# Altium PCB LimeSDR-X3_1v1.PcbDoc (part 25 of 25)
Units mm, origin at the board's own origin, x right, y up, seen from the top; angles counter-clockwise.
Board outline 232.5 x 111.15 mm, 12 copper layers (Top, L2, L3, L4, L5, L6, L7, L8, L9, L10, L11, Bottom), stack 1.596 mm thick; 2068 components, 1388 nets, 8930 pads, 3646 vias.
Unrouted connection lines stored in the file: 1.
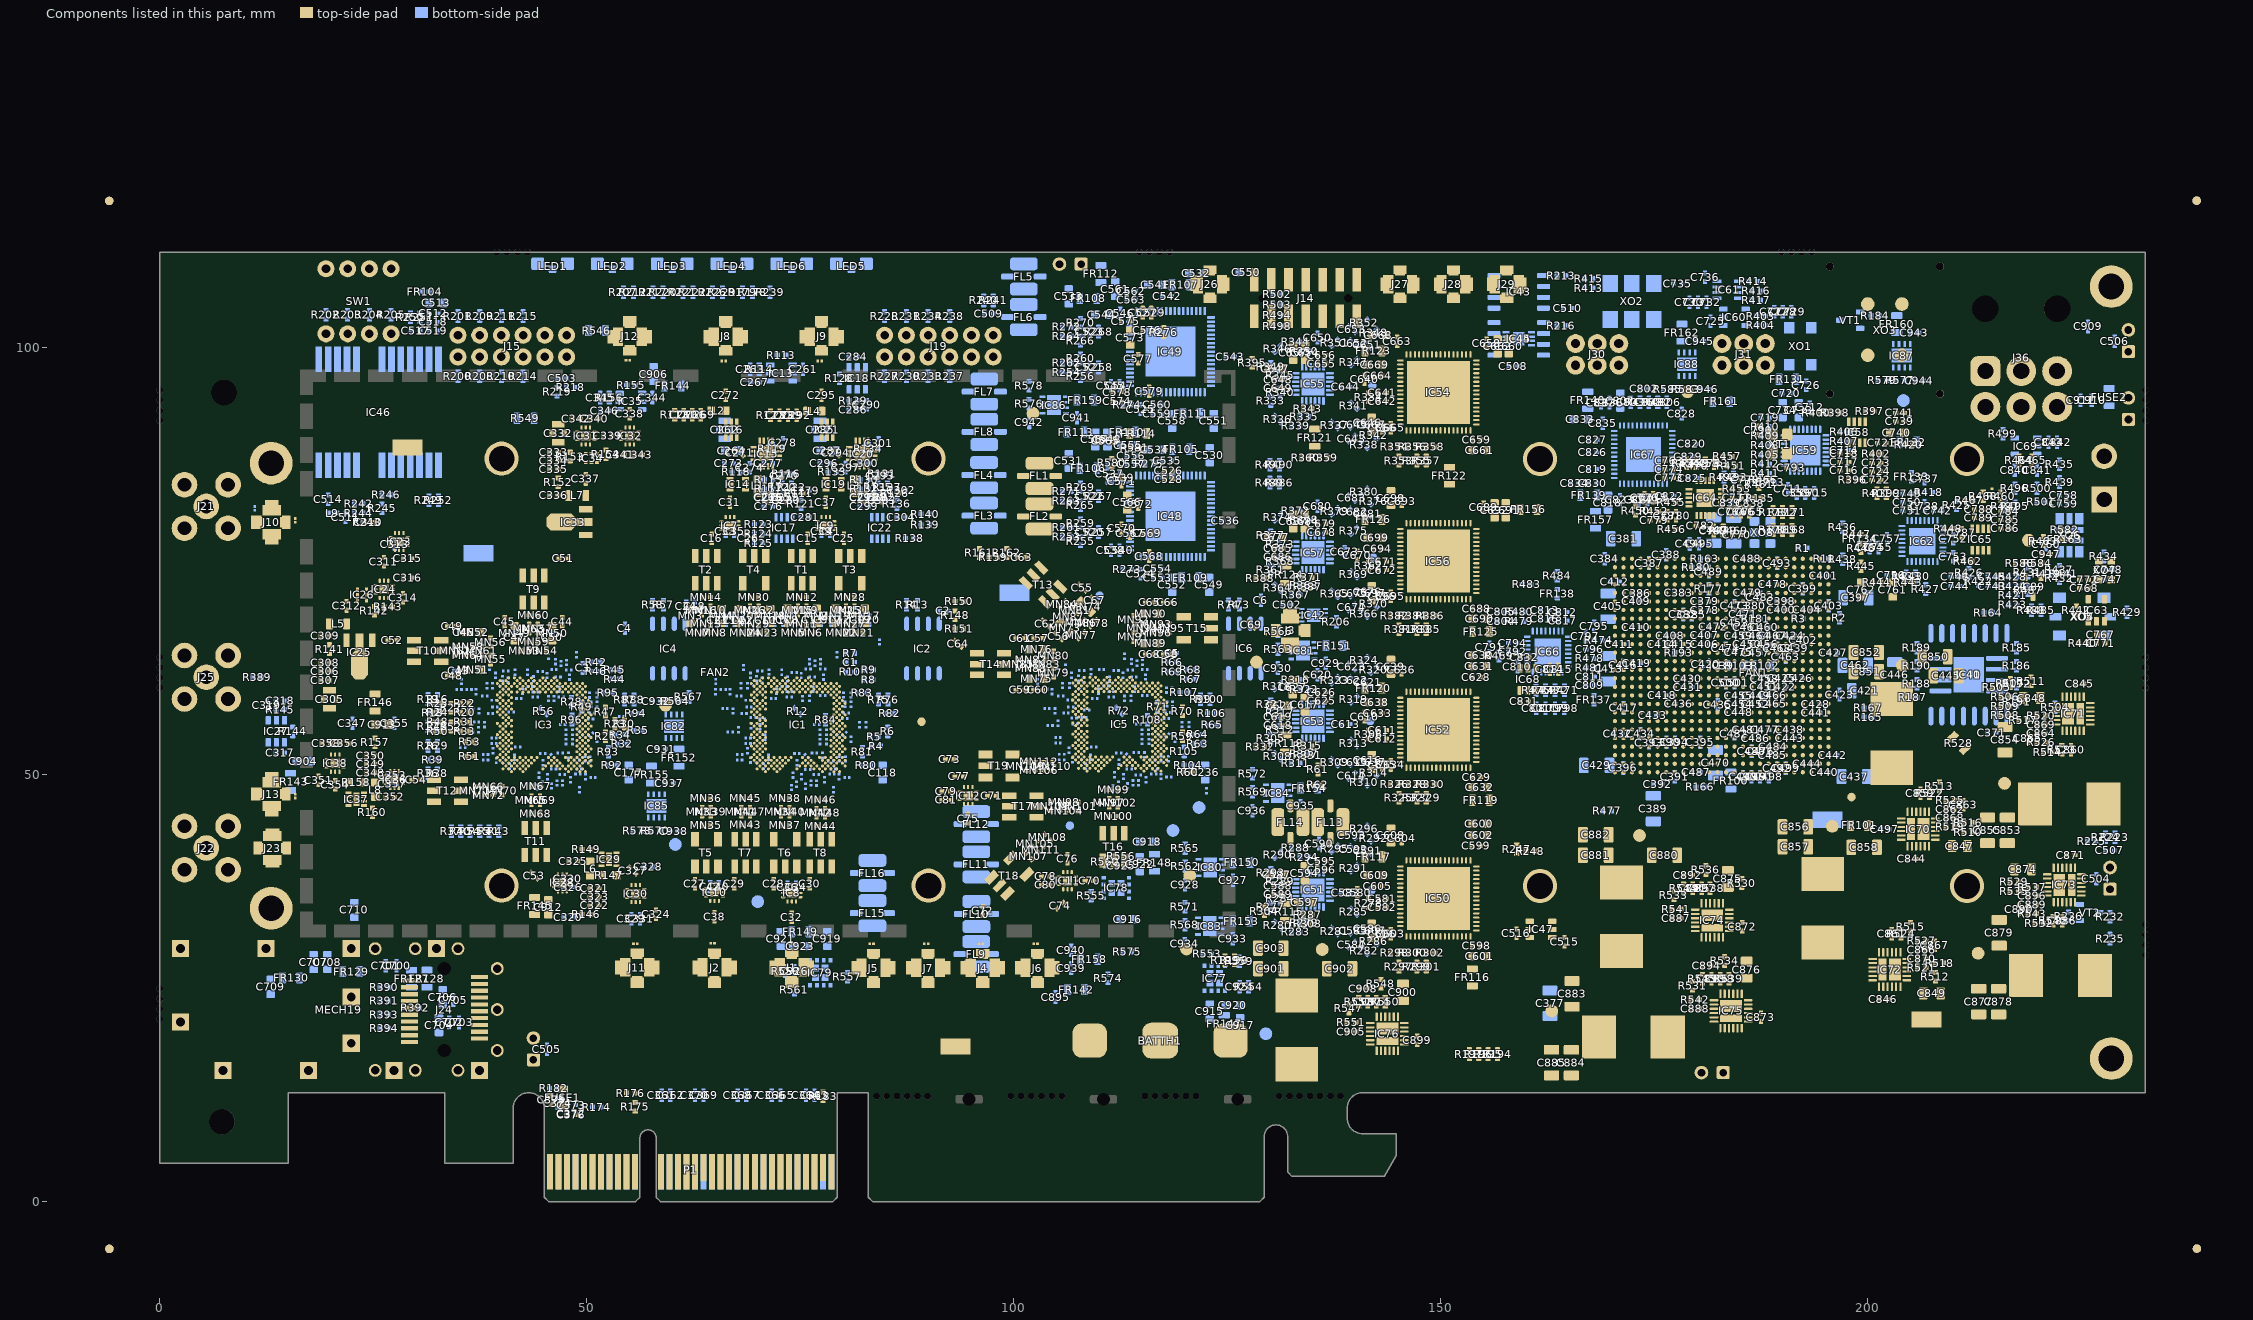
[diagram p35: the components of this part, seen from the top]

## Silkscreen, mask and mechanical layers (free items; w line width, h text height) (continued)
Mechanical1:
  drawing of 2724 lines, arcs and shapes, not listed
  text "LimeSDR X3 v1.1" at 390.05,289.1 h7
  text "CONTROLLED IMPEDANCE" at 250.15,275.6 h3
  text "STACKUP AND LAYER DESCRIPTION" at 379.15,275.6 h3
  text "GENERAL PARAMETERS" at 264.05,269.1 h1.7
  text "Parameter" at 286.05,265.325 h1.5
  text "Layer/Layers" at 331.55,265.1 h1.5
  text "Value" at 361.55,265.1 h1.5
  text "Top" at 326.55,260.3 h1.5
  text "17.5um" at 353.85,260.3 h1.5
  text "Copper foil thickness" at 251.05,260.1 h1.5
  text "173um (6.8 mils)" at 353.15,255.7 h1.5
  text "Dielectric thickness between layers" at 251.05,255.1 h1.5
  text "4.2" at 354.05,250.3 h1.5
  text "Dielectric permittivity between layers (Er)" at 251.05,250.1 h1.5
  text "Top-L2" at 326.55,249.1 h1.5
  text "17.5um" at 353.85,245.3 h1.5
  text "Copper foil thickness" at 251.05,245.1 h1.5
  text "Bottom" at 326.55,244.1 h1.5
  text "TH via" at 512.6,243.85 h1.52
  text "GERBER LAYER NAMES:" at 386.2,242.45 h1.52
  text "Top-Bot" at 512.05,240.775 h1.52
  text "173um (6.8 mils)" at 353.15,240.7 h1.5
  text "Dielectric thickness between layers" at 251.05,240.1 h1.5
  text "GTP" at 387.3,238.9 h1.52
  text "Top solder paste" at 392.4,238.55 h1
  text "GTO" at 387.3,235.825 h1.52
  text "Silkscreen" at 392.3,235.6 h1
  text "4.2" at 354.05,235.3 h1.5
  text "Dielectric permittivity between layers (Er)" at 251.05,235.1 h1.5
  text "ELECTRICAL LAYERS:" at 526.6,234.35 h1.52
  text "Bottom-L11" at 326.55,234.2 h1.5
  text "GTS" at 387.3,233.15 h1.52
  text "Soldermask (halogen free)" at 392.3,231.85 h1
  text "Top: RF/Signal/PWR/GND" at 527.275,230.875 h1.52
  text "GTL" at 387.3,230.65 h1.52
  text "0.5oz+plating" at 392.3,230.15 h1
  text "6.8mil (173um)" at 423.45,227.975 h1
  text "IT180A: 1086X1+2113X1" at 440.8,227.875 h1.2
  text "PP" at 414.6,227.85 h1
  text "CALCULATIONS" at 250.05,227.6 h1.7
  text "G1" at 387.3,226.15 h1.52
  text "1oz (35um)" at 392.3,225.95 h1
  text "L2: GND" at 527.3,225.85 h1.52
  text "IT180A: 3313" at 440.75,223.5 h1.2
  text "4mil (102um)" at 423.45,223.475 h1
  text "CORE" at 414.6,223.35 h1
  text "Target impedance" at 257.05,222.6 h1.5
  text "Single-ended" at 326.55,222.6 h1.5
  text "50R" at 353.05,222.6 h1.5
  text "G2" at 387.3,221.65 h1.52
  text "1oz (35um)" at 392.3,221.45 h1
  text "L3: Signal/PWR/GND" at 527.3,221.35 h1.52
  text "4.6mil (117um)" at 423.45,218.975 h1
  text "IT180A: 2116" at 440.8,218.875 h1.2
  text "PP" at 414.6,218.85 h1
  text "Additional comments" at 257.05,217.6 h1.5
  text "Top layer, no side GND plane" at 326.55,217.6 h1.5
  text "G3" at 387.3,217.15 h1.52
  text "1oz (35um)" at 392.3,216.95 h1
  text "L4: Signal/PWR/GND" at 527.3,216.85 h1.52
  text "IT180A: 3313" at 440.75,214.5 h1.2
  text "4mil (102um)" at 423.45,214.475 h1
  text "CORE" at 414.6,214.35 h1
  text "G4" at 387.3,212.65 h1.52
  text "Top layer copper foil thickness" at 257.05,212.6 h1.5
  text "17.5 um" at 326.55,212.6 h1.5
  text "1oz (35um)" at 392.3,212.45 h1
  text "L5: GND" at 527.4,212.35 h1.52
  text "3.52mil (89um)" at 423.45,209.975 h1
  text "IT180A: 1086" at 440.8,209.875 h1.2
  text "PP" at 414.6,209.85 h1
  text "G5" at 387.3,208.15 h1.52
  text "1oz (35um)" at 392.3,207.95 h1
  text "L6: PWR/Signal/GND" at 527.4,207.85 h1.52
  text "Track width" at 257.05,207.6 h1.5
  text "0.325 mm (12.795 mils)" at 326.55,207.6 h1.5
  text "IT180A: 3313" at 440.75,205.5 h1.2
  text "4mil (102um)" at 423.45,205.475 h1
  text "CORE" at 414.6,205.35 h1
  text "G6" at 387.3,203.65 h1.52
  text "1oz (35um)" at 392.3,203.45 h1
  text "L7: GND" at 527.4,203.35 h1.52
  text "173um (6.8 mils)" at 326.55,202.7 h1.5
  text "Top layer copper foil thickness" at 257.05,202.6 h1.5
  text "3.52mil (89um)" at 423.45,200.975 h1
  text "IT180A: 1086" at 440.8,200.875 h1.2
  text "PP" at 414.6,200.85 h1
  text "173um (6.8 mils)" at 353.15,199.2 h1.5
  text "G7" at 387.3,199.15 h1.52
  text "1oz (35um)" at 392.3,198.95 h1
  text "L8: Signal/PWR/GND" at 527.4,198.85 h1.52
  text "Dielectric thickness between layers" at 257.05,198.6 h1.5
  text "IT180A: 3313" at 440.75,196.5 h1.2
  text "4mil (102um)" at 423.45,196.475 h1
  text "CORE" at 414.6,196.35 h1
  text "G8" at 387.3,194.65 h1.52
  text "1oz (35um)" at 392.3,194.45 h1
  text "L9: GND" at 527.4,194.35 h1.52
  text "4.2" at 354.05,193.8 h1.5
  text "Dielectric permittivity between layers (Er)" at 257.05,192.6 h1.5
  text "Top-L2" at 326.55,192.6 h1.5
  text "4.6mil (117um)" at 423.45,191.975 h1
  text "IT180A: 2116" at 440.8,191.875 h1.2
  text "PP" at 414.6,191.85 h1
  text "G9" at 387.3,190.175 h1.52
  text "1oz (35um)" at 392.3,189.95 h1
  text "L10: PWR/Signal/GND" at 527.4,189.875 h1.52
  text "49.99 Ohms (+/- 10% tolerance)" at 326.55,187.7 h1.5
  text "RF (Top)" at 256.55,187.6 h2 r90
  text "Approximate microstrip line impedance" at 257.05,187.6 h1.5
  text "IT180A: 3313" at 440.75,187.525 h1.2
  text "4mil (102um)" at 423.45,187.5 h1
  text "CORE" at 414.6,187.375 h1
  text "G10" at 387.3,185.675 h1.52
  text "1oz (35um)" at 392.3,185.45 h1
  text "L11: GND" at 527.4,185.375 h1.52
  text "6.8mil (173um)" at 423.45,183.025 h1
  text "IT180A: 1086X1+2113X1" at 440.8,182.925 h1.2
  text "PP" at 414.6,182.875 h1
  text "Target impedance" at 257.05,182.6 h1.5
  text "Differential" at 326.55,182.6 h1.5
  text "100R" at 353.05,182.6 h1.5
  text "GBL" at 387.3,181.2 h1.52
  text "Bottom: RF/Signal/PWR/GND" at 527.35,181.175 h1.52
  text "0.5oz+plating" at 392.3,180.7 h1
  text "GBS" at 387.3,178.7 h1.52
  text "Additional comments" at 257.05,177.6 h1.5
  text "Top layer, no side GND plane" at 326.55,177.6 h1.5
  text "Soldermask (halogen free)" at 392.3,177.5 h1
  text "ADDITIONAL LAYERS:" at 529.6,176.9 h1.52
  text "GBO" at 387.3,176.1 h1.52
  text "Silkscreen" at 392.3,175.9 h1
  text "GBP" at 387.3,173.125 h1.52
  text "Bottom solder paste" at 392.3,172.925 h1
  text "Mechanical 1: Board cutout" at 532.3,172.7 h1.52
  text "Top layer copper foil thickness" at 257.05,172.6 h1.5
  text "17.5 um" at 326.55,172.6 h1.5
  text "Total PCB thicknes: 1.6mm +/- 10%" at 410.9,170.4 h1.52
  text "Via type #1" at 469.35,170.2 h1.52
  text "ASM TOP: Assembly top" at 532.3,169.7 h1.52
  text "0.2mm drill / 0.4mm ring" at 510.6,168.958 h1.2
  text "Track width" at 257.05,167.6 h1.5
  text "0.2 mm (7.874 mils)" at 326.55,167.6 h1.5
  text "ASM BOT: Assembly bottom" at 532.3,166.7 h1.52
  text "Via type #2" at 469.35,165.7 h1.52
  text "0.4mm drill / 0.8mm ring" at 510.6,163.958 h1.2
  text "Mechanical 13: Component 3D body" at 532.3,163.7 h1.52
  text "Track spacing" at 257.05,162.6 h1.5
  text "0.14 mm (5.511 mils)" at 326.55,162.6 h1.5
  text "Notes: Board shape and frame" at 532.375,160.775 h1.52
  text "173um (6.8 mils)" at 326.55,157.7 h1.5
  text "Top layer copper foil thickness" at 257.05,157.6 h1.5
  text "0.2mm drill / 0.35mm ring" at 510.7,157.2 h1.2
  text "Via type #3 (In pad, IC1, IC3, IC5, resin filled with metal cap)" at 468.95,155.825 h1.52
  text "173um (6.8 mils)" at 353.15,154.2 h1.5
  text "Dielectric thickness between layers" at 257.05,153.6 h1.5
  text "0.2mm drill / 0.5mm ring" at 510.7,150.35 h1.2
  text "4.2" at 354.05,148.8 h1.5
  text "Dielectric permittivity between layers (Er)" at 257.05,147.6 h1.5
  text "Top-L2" at 326.55,147.6 h1.5
  text "Via type #4 (In IC1, IC3, IC5 thermal pad, NO resin fill and metal cap)" at 468.95,147.475 h1.52
  text "100.6 Ohms (+/- 10% tolerance)" at 326.55,142.7 h1.5
  text "RF (Top)" at 256.55,142.6 h2 r90
  text "Approximate microstrip line impedance" at 257.05,142.6 h1.5
  text "Target impedance" at 257.05,137.6 h1.5
  text "Single-ended" at 326.55,137.6 h1.5
  text "50R" at 353.05,137.6 h1.5
  text "Board cutout" at 105.175,133.275 h1.95
  text "Additional comments" at 257.05,132.6 h1.5
  text "Bottom layer, no side GND plane" at 326.55,132.6 h1.5
  text "Top layer copper foil thickness" at 257.05,127.6 h1.5
  text "17.5 um" at 326.55,127.6 h1.5
  text "VERY IMPORTANT NOTES" at 379.15,124.4 h3
  text "Track width" at 257.05,122.6 h1.5
  text "0.325 mm (12.795 mils)" at 326.55,122.6 h1.5
  text "GENERAL PCB SPECS" at 379.15,117.9 h1.7
  text "ADDITIONAL REQUIREMENTS" at 488.15,117.9 h1.7
  text "173um (6.8 mils)" at 326.55,117.7 h1.5
  text "Top layer copper foil thickness" at 257.05,117.6 h1.5
  text "173um (6.8 mils)" at 353.15,114.2 h1.5
  text "Dielectric thickness between layers" at 257.05,113.6 h1.5
  text "Minimum copper to copper spacing" at 380.05,112.9 h1.5
  text "0.1mm (3.9mil)" at 435.55,112.9 h1.5
  text "4.2" at 354.05,108.8 h1.5
  text "Minimum track width" at 380.05,107.9 h1.5
  text "0.1mm (3.9mil)" at 435.55,107.9 h1.5
  text "All 0.2mm vias including 0.35mm ring and 0.2mm drill via-in-pads (IC1, IC3 and IC5) must be resin filled with metal cap." at 493,107.9 h1.5
  text "Dielectric permittivity between layers (Er)" at 257.05,107.6 h1.5
  text "Bottom-L11" at 326.55,107.6 h1.5
  text "PCB thickness" at 380.05,102.9 h1.5
  text "1.6mm +/-10%" at 435.55,102.9 h1.5
  text "49.99 Ohms (+/- 10% tolerance)" at 326.55,102.7 h1.5
  text "RF (Bottom)" at 256.55,102.6 h2 r90
  text "Approximate microstrip line impedance" at 257.05,102.6 h1.5
  text "Standoff mounting hole" at 223.7,98.575 h1
  text "Target impedance" at 257.05,97.6 h1.5
  text "Differential" at 326.55,97.6 h1.5
  text "85R" at 353.05,97.6 h1.5
  text "PCB material" at 380.05,92.9 h1.5
  text "IT-180A preferred or equivalent RF-rated material (up to 3 GHz or higher)" at 436.55,92.8 h1.5
  text "Additional comments" at 257.05,92.6 h1.5
  text "Top/Bottom layers, no side GND" at 326.55,92.6 h1.5
  text "IC1, IC3 and IC5 thermal pad vias with 0.4mm ring and 0.2mm drill must be resin filled with metal cap. IC1 thermal pad vias  with 0.5mm ring and 0.2mm drill must be left open (NO resin fill with metal cap). 4 vias in total, marked with note." at 493,91.9 h1.5
  text "PCIe bracket hole" at 1.8,90.8 h1
  text "External layer" at 435.55,87.9 h1.5
  text "0.5 oz+plating" at 462.15,87.9 h1.5
  text "Top layer copper foil thickness" at 257.05,87.6 h1.5
  text "17.5 um" at 326.55,87.6 h1.5
  text "Copper weight" at 380.05,83.1 h1.5
  text "Internal layer" at 435.55,82.9 h1.5
  text "1 oz" at 462.05,82.9 h1.5
  text "Track width" at 257.05,82.6 h1.5
  text "0.25 mm (9.84 mils)" at 326.55,82.6 h1.5
  text "Fan mounting hole" at 32.325,82.3 h1
  text "Fan mounting hole" at 82.325,82.3 h1
  text "Fan mounting hole" at 153.925,82.25 h1
  text "Fan mounting hole" at 203.925,82.25 h1
  text "Standoff mounting hole" at 2.6,81.775 h1
  text "DARK BLUE" at 435.55,77.9 h1.5
  text "Electrical test : 100 % netlist." at 493,77.9 h1.5
  text "Track spacing" at 257.05,77.6 h1.5
  text "0.1 mm (3.93 mils)" at 326.55,77.6 h1.5
  text "Both sides" at 435.55,72.9 h1.5
  text "173um (6.8 mils)" at 326.55,72.7 h1.5
  text "Top layer copper foil thickness" at 257.05,72.6 h1.5
  text "173um (6.8 mils)" at 353.15,69.2 h1.5
  text "Dielectric thickness between layers" at 257.05,68.6 h1.5
  text "Halogen free" at 435.55,67.9 h1.5
  text "Boards are to be individually bagged." at 493,67.9 h1.5
  text "4.2" at 354.05,63.8 h1.5
  text "Solder mask" at 380.05,62.9 h1.5
  text "Glossy finish (NOT matte)" at 435.55,62.9 h1.5
  text "Dielectric permittivity between layers (Er)" at 257.05,62.6 h1.5
  text "Top-L2 / Bottom-L11" at 326.55,62.6 h1.5
  text "Local Fiducial" at 86.775,58.225 h0.7
  text "White epoxy ink" at 435.55,57.9 h1.5
  text "PCB vendor to silkscreen UL and RoHS compliance marks, vendor logo and date code on bottom where shown (ignore if none of the info will be placed on PCB)" at 493,57.9 h1.5
  text "85 Ohms (+/- 10% tolerance)" at 326.55,57.7 h1.5
  text "PCIe (Top and Bottom)" at 256.55,57.6 h2 r90
  text "Approximate microstrip line impedance" at 257.05,57.6 h1.5
  text "Both sides" at 435.55,52.9 h1.5
  text "Local Fiducial" at 195.425,49.35 h0.7
  text "Halogen free" at 435.55,47.9 h1.5
  text "Assembly note: Assembly house MUST provide notes in paper with shipped board if there were any changes during assembly and the board is not assembled 100% according to BOM and P&P files. Note example:" at 493,44.9 h1.5
  text "Silkscreen" at 380.05,42.9 h1.5
  text "No silkscreen on pads" at 435.55,42.9 h1.5
  text "Comment" at 553.75,40.85 h1.5
  text "Part" at 494.35,39.6 h1.5
  text "Initial BOM asm. note" at 502.75,39.6 h1.5
  text "Current PCB status" at 520.75,39.6 h1.5
  text "Plated" at 435.55,37.9 h1.5
  text "Non-plated" at 462.05,37.9 h1.5
  text "R1" at 495.6,34.6 h1.5
  text "FIT" at 508.85,34.6 h1.5
  text "NF" at 527.1,34.6 h1.5
  text "Not mounted due to bad footprint" at 538.35,34.1 h1.5
  text "Fan mounting hole" at 32.325,32.3 h1
  text "Fan mounting hole" at 82.325,32.3 h1
  text "Fan mounting hole" at 153.925,32.25 h1
  text "Fan mounting hole" at 203.925,32.25 h1
  text "IC5" at 495.1,31.6 h1.5
  text "FIT" at 508.85,31.6 h1.5
  text "NF" at 527.1,31.1 h1.5
  text "Not mounted due to part shortage" at 538.35,30.6 h1.5
  text "0,83cm" at -18.85,29.925 h1.52 r90
  text "Standoff mounting hole" at 2.6,29.65 h1
  text "Hole types on the PCB and information" at 380.05,27.9 h1.5
  text "Hole diameters are final manufactured diameters INCLUDING HOLE METALIZATION." at 439.75,27.9 h1.5
  text "V-score" at 436.3,22.9 h1.5
  text "Tab route" at 462.05,22.9 h1.5
  text "Standoff mounting hole" at 223.925,19.575 h1
  text "Route process" at 380.05,17.9 h1.5
  text "V-score and tab route" at 436.3,17.9 h1.5
  text "PCIe REQUIREMENT #1: PCI EXPRESS pads (top and bottom) - 30 micro inches of gold over 50 micro inches nickel plating" at 493,17.875 h1.5
  text "Note: / Hole circles are just for mechanical information. / No additional requirements for manufacturing. / For board holes follow drill files." at 15.675,17.35 h0.7
  text "Vendor Logo, RoHS  / and PCB number (bottom)" at 163.05,16.225 h0.7
  text "PCIe bracket hole" at 0.75,13.975 h1
  text "Panel" at 379.95,12.9 h1.5
  text "Yes" at 436.3,12.9 h1.5
  text "No" at 462.05,12.9 h1.5
  text "0,56cm" at -16.675,7.9 h1.52 r90
  text "HASL lead free" at 436.3,7.9 h1.5
  text "PCIe REQUIREMENT #2: Board edge below PCI pads must be chamfered (as shown). Edges must be free of cutting burrs" at 493,7.875 h1.5
  text "HASL with lead" at 436.3,2.9 h1.5
  text "Chamfered area is shown as filled field" at 4.525,1.125 h1
  text "Immersion gold" at 436.3,-2.1 h1.5
  text "0.05-0.10um of gold over / 2.50-5.00um of nickel" at 457.7,-2.2 h1
  text "OSP" at 436.3,-7.1 h1.5
  text "Surface finish (both sides)" at 379.85,-12.4 h1.5
  text "Hard gold" at 436.3,-12.4 h1.5
  text "PCIe REQUIREMENT #1" at 52.475,-18.9 h1.5
  text "PCIe REQUIREMENT #2" at 25.075,-21.55 h1.5
  text "PCI connector / edge chamfer" at -1.375,-22.8 h1.5
  text "20 (+/- 5) / degrees" at -9.875,-33.3 h1.5
  text "1.4 mm" at -10.075,-43.3 h1.5
Notes:
  lines w0.1: -3.05,20.25 -3.05,-2.5 235.525,-2.5 235.525,27.75 ; -3.05,96.15 -3.05,114.175 ; -3.025,20.25 -0.025,20.25 ; -3.025,59.038 -3.025,26.075 -0.025,26.075 ; -3.025,96.15 -0.025,96.15 ; -3,59.038 0,59.038 ; -2.95,114.175 38.35,114.175 ; -0.025,90.325 -3.025,90.325 -3.025,64.863 0,64.863 ; 44.175,111.175 44.175,114.175 113.55,114.175 113.55,111.175 ; 119.375,111.175 119.375,114.175 188.725,114.175 188.725,111.175 ; 194.55,111.175 194.55,114.175 235.525,114.175 235.525,96.15 ; 232.475,59.037 235.475,59.037 ; 232.475,64.863 235.5,64.863 235.5,90.325 232.5,90.325 ; 232.5,27.75 235.5,27.75 ; 232.5,33.575 235.5,33.575 235.5,59.037 ; 232.5,96.15 235.5,96.15 ; 38.35,114.175 38.35,111.175 38.35,114.175 ; -13.1,-12.685 245.675,-12.685 245.675,124.36 -13.1,124.36 -13.1,-12.685
  lines w0.2: 0,4.5 0,111.15 232.5,111.15 232.5,12.75 140.8,12.75 ccw(c140.8,11) 139.05,11 139.05,9.7 ccw(c140.8,9.7) 140.8,7.95 144.75,7.95 144.75,5.375 143.35,2.95 132.55,2.95 132.05,3.45 132.05,7.605 ccw(c130.675,7.605) 129.3,7.605 129.3,0.5 128.8,0 83.45,0 82.95,0.5 82.95,12.75 79.3,12.75 79.3,0.5 78.8,0 58.6,0 58.1,0.5 58.1,7.45 ccw(c57.15,7.45) 56.2,7.45 56.2,0.5 55.7,0 45.5,0 45,0.5 45,10.925 ccw(c43.175,10.925) 41.35,10.925 41.35,4.5 33.35,4.5 33.35,12.75 15,12.75 15,4.5 0,4.5
ASM BOT:
  drawing of 151 lines, arcs and shapes, not listed
  text "Assembly bottom" at 125.7,112.65 h1.25
ASM TOP:
  lines w0.1: 146.75,23.225 148.3,22.525 ; 187.2,26.375 190.85,24.9
  lines w0.15: 68.325,64 69.5,65.5 ; 75.2,65.65 81.075,63.45 ; 186.25,79.425 187.825,76.525
  lines w0.2: 0,4.5 15,4.5 15,12.75 33.35,12.75 33.35,4.5 41.35,4.5 41.35,10.925 cw(c43.175,10.925) 45,10.925 45,0.5 45.5,0 55.7,0 56.2,0.5 56.2,7.45 cw(c57.15,7.45) 58.1,7.45 58.1,0.5 58.6,0 78.8,0 79.3,0.5 79.3,12.75 82.95,12.75 82.95,0.5 83.45,0 128.8,0 129.3,0.5 129.3,7.605 cw(c130.675,7.605) 132.05,7.605 132.05,3.45 132.55,2.95 143.35,2.95 144.75,5.375 144.75,7.95 140.8,7.95 cw(c140.8,9.7) 139.05,9.7 139.05,11 cw(c140.8,11) 140.8,12.75 232.5,12.75 232.5,111.15 0,111.15 0,4.5
  text "Assembly top" at 109.325,112.675 h1.25

## Dimensions
-9.2,30.091 to -9.2,14.941 on Mechanical1
-10.775,44.75 to -10.775,38.35 on Mechanical1
-10.775,64.75 to -10.775,58.35 on Mechanical1
-10.775,58.35 to -10.775,44.75 on Mechanical1
-10.775,78.35 to -10.775,64.75 on Mechanical1
-10.775,84.75 to -10.775,78.35 on Mechanical1
0,111.15 to 232.5,111.15 on Mechanical1
7.5,94.75 to 8.967,96.217 on Mechanical1
-13.1,124.36 to 245.675,124.36 on Mechanical1
-13.1,124.355 to -13.1,-12.685 on Mechanical1
0,4.5 to 0,111.15 on Mechanical1
161.6,36.95 to 149.225,36.95 on Mechanical1

## Text inside footprints (layer, text, board x,y; h text height)
FL1: ASM TOP "GND vias to be added manually" at 100.525,85.825 h0.35; ASM TOP "1" at 105,84.675 h0.55; ASM TOP "3" at 100.7,84.675 h0.55
FL2: ASM TOP "GND vias to be added manually" at 100.65,81 h0.35; ASM TOP "1" at 104.925,79.9 h0.55; ASM TOP "3" at 100.7,79.85 h0.55
FL3: ASM BOT "GND vias to be added manually" at 98.975,78.475 h0.35; ASM BOT "1" at 98.975,80.25 h0.55; ASM BOT "3" at 94.525,80.35 h0.55
FL4: ASM BOT "GND vias to be added manually" at 99.025,83.3 h0.35; ASM BOT "1" at 98.817,85.05 h0.55; ASM BOT "3" at 94.425,85.05 h0.55
FL5: ASM BOT "GND vias to be added manually" at 103.5,106.35 h0.35; ASM BOT "1" at 103.3,108.075 h0.55; ASM BOT "3" at 99.425,108.1 h0.55
FL6: ASM BOT "GND vias to be added manually" at 103.45,104.35 h0.35; ASM BOT "1" at 103.334,103.35 h0.55; ASM BOT "3" at 99.3,103.325 h0.55
FL7: ASM BOT "GND vias to be added manually" at 98.965,92.975 h0.35; ASM BOT "3" at 94.5,94.875 h0.55; ASM BOT "1" at 98.9,94.825 h0.55
FL8: ASM BOT "GND vias to be added manually" at 99.025,88.252 h0.35; ASM BOT "3" at 94.55,90.052 h0.55; ASM BOT "1" at 98.85,90.052 h0.55
FL9: ASM BOT "GND vias to be added manually" at 98.05,29.95 h0.35; ASM BOT "1" at 93.475,28.975 h0.55; ASM BOT "3" at 97.725,28.975 h0.55
FL10: ASM BOT "GND vias to be added manually" at 98.075,34.65 h0.35; ASM BOT "1" at 93.5,33.675 h0.55; ASM BOT "3" at 97.75,33.675 h0.55
FL11: ASM BOT "GND vias to be added manually" at 98.066,40.471 h0.35; ASM BOT "1" at 93.491,39.496 h0.55; ASM BOT "3" at 97.741,39.496 h0.55
FL12: ASM BOT "GND vias to be added manually" at 98.066,45.171 h0.35; ASM BOT "1" at 93.491,44.196 h0.55; ASM BOT "3" at 97.741,44.196 h0.55
FL13: ASM TOP "GND vias to be added manually" at 139.025,41.95 h0.35 r90; ASM TOP "3" at 136.668,46.581 h0.55 r90; ASM TOP "1" at 136.768,41.981 h0.55 r90
FL14: ASM TOP "GND vias to be added manually" at 134.325,42.025 h0.35 r90; ASM TOP "3" at 132.093,46.531 h0.55 r90; ASM TOP "1" at 132.118,41.956 h0.55 r90
FL15: ASM BOT "GND vias to be added manually" at 85.9,34.749 h0.35; ASM BOT "1" at 81.325,33.774 h0.55; ASM BOT "3" at 85.575,33.774 h0.55
FL16: ASM BOT "GND vias to be added manually" at 85.9,39.449 h0.35; ASM BOT "1" at 81.325,38.474 h0.55; ASM BOT "3" at 85.575,38.474 h0.55
IC1: Mechanical1 "0.2mm/0.5mm hole/ring vias under   / pad to be left open (no metal cap)" at 67.981,49.044 h0.35; ASM TOP "1) paste/pad ratio ~60% / 2) 4 thermal pad vias  / without metal cap / 3) all other thermal pad  / vias with metal cap" at 70.456,57.369 h0.4; ASM TOP "Pad size = 0.35mm / Pad paste mask = 0.35mm / No AM2 pad" at 68.981,51.594 h0.4; ASM TOP "Footprint revision: r5" at 72.131,49.769 h0.4
IC3: Mechanical1 "0.2mm/0.5mm hole/ring vias under   / pad to be left open (no metal cap)" at 38.231,49.044 h0.35; ASM TOP "Pad size = 0.35mm / Pad paste mask = 0.35mm / No AM2 pad" at 39.231,51.594 h0.4; ASM TOP "Footprint revision: r5" at 42.381,49.769 h0.4; ASM TOP "1) paste/pad ratio ~60% / 2) 4 thermal pad vias  / without metal cap / 3) all other thermal pad  / vias with metal cap" at 40.706,57.369 h0.4
IC5: Mechanical1 "0.2mm/0.5mm hole/ring vias under   / pad to be left open (no metal cap)" at 105.625,49.1 h0.35; ASM TOP "Footprint revision: r5" at 109.775,49.825 h0.4; ASM TOP "Pad size = 0.35mm / Pad paste mask = 0.35mm / No AM2 pad" at 106.625,51.65 h0.4; ASM TOP "1) paste/pad ratio ~60% / 2) 4 thermal pad vias  / without metal cap / 3) all other thermal pad  / vias with metal cap" at 108.1,57.425 h0.4
IC39: ASM TOP "A1" at 195.125,49.9 h0.55; ASM TOP "AF1" at 169.4,75.597 h0.55; TopOverlay "16" at 179.8,47.15 h0.55; TopOverlay "9" at 186.825,47.8 h0.55; TopOverlay "26" at 169.8,47.15 h0.55; TopOverlay "6" at 189.825,47.15 h0.55; TopOverlay "U1" at 196.9,65.85 h0.55; TopOverlay "AC1" at 196.9,71.85 h0.55; TopOverlay "15" at 180.875,47.8 h0.55; TopOverlay "21" at 174.875,47.8 h0.55; TopOverlay "17" at 178.875,47.8 h0.55; TopOverlay "2" at 193.825,47.15 h0.55; TopOverlay "24" at 171.8,47.15 h0.55; TopOverlay "AA1" at 196.9,69.85 h0.55; TopOverlay "1" at 194.825,47.8 h0.55; TopOverlay "5" at 190.825,47.8 h0.55; TopOverlay "14" at 181.8,47.15 h0.55; TopOverlay "AE1" at 196.9,73.85 h0.55; TopOverlay "18" at 177.8,47.15 h0.55; TopOverlay "23" at 172.875,47.8 h0.55; TopOverlay "25" at 170.875,47.8 h0.55; TopOverlay "13" at 182.825,47.8 h0.55; TopOverlay "V1" at 196.9,66.85 h0.55; TopOverlay "8" at 187.825,47.15 h0.55; TopOverlay "AF1" at 196.9,74.85 h0.55; TopOverlay "20" at 175.8,47.15 h0.55; TopOverlay "22" at 173.8,47.15 h0.55; TopOverlay "10" at 185.825,47.15 h0.55; TopOverlay "AB1" at 196.9,70.85 h0.55; TopOverlay "W1" at 196.9,67.85 h0.55; TopOverlay "19" at 176.875,47.8 h0.55; TopOverlay "11" at 184.825,47.8 h0.55; TopOverlay "7" at 188.825,47.8 h0.55; TopOverlay "AD1" at 196.9,72.85 h0.55; TopOverlay "Y1" at 196.9,68.85 h0.55; TopOverlay "4" at 191.825,47.15 h0.55; TopOverlay "3" at 192.825,47.8 h0.55; TopOverlay "12" at 183.825,47.15 h0.55
J1: ASM TOP "in" at 73.588,28.821 h0.55
J2: ASM TOP "in" at 64.54,28.821 h0.55
J3: ASM TOP "in" at 130.925,66.478 h0.55 r90
J4: ASM TOP "in" at 95.95,28.8 h0.55
J5: ASM TOP "in" at 83.15,28.8 h0.55
J6: ASM TOP "in" at 102.35,28.8 h0.55
J7: ASM TOP "in" at 89.55,28.8 h0.55
J8: ASM TOP "in" at 65.822,99.454 h0.55
J9: ASM TOP "in" at 77.048,99.454 h0.55
J10: ASM TOP "in" at 14.925,79.1 h0.55 r90
J11: ASM TOP "in" at 55.492,28.821 h0.55
J12: ASM TOP "in" at 54.596,99.454 h0.55
J13: ASM TOP "in" at 14.825,47.175 h0.55 r90
J14: ASM TOP "1" at 128.05,103.6 h0.55; TopOverlay "1" at 127.925,101.3 h0.55; TopOverlay "2" at 127.825,109.4 h0.55; TopOverlay "13" at 139.575,101.3 h0.55; TopOverlay "14" at 139.6,109.4 h0.55
J15: ASM TOP "PCB edge" at 39.029,109.825 h0.55; ASM TOP "12" at 47.279,101.075 h0.7; ASM TOP "1" at 34.754,98.425 h0.7; TopOverlay "7" at 32.604,101.025 h0.7; TopOverlay "12" at 49.454,101.3 h0.7; TopOverlay "6" at 49.504,98.425 h0.7; TopOverlay "1" at 32.704,98.4 h0.7
J19: ASM TOP "PCB edge" at 88.988,109.825 h0.55; ASM TOP "1" at 84.713,98.425 h0.7; ASM TOP "12" at 97.238,101.075 h0.7; TopOverlay "1" at 82.663,98.4 h0.55; TopOverlay "6" at 99.463,98.425 h0.55; TopOverlay "12" at 99.413,101.3 h0.55; TopOverlay "7" at 82.563,101.025 h0.55
J21: ASM TOP "Connector out" at 3.725,77.8 h0.8 r90
J22: ASM TOP "Connector out" at 3.725,37.85 h0.8 r90
J23: ASM TOP "in" at 11.65,40.925 h0.55 r90
J25: ASM TOP "Connector out" at 3.7,57.825 h0.8 r90
J26: ASM TOP "in" at 122.4,105.75 h0.55
J27: ASM TOP "in" at 144.875,105.675 h0.55
J28: ASM TOP "in" at 150.925,105.475 h0.55
J29: ASM TOP "in" at 157.15,105.375 h0.55
J30: ASM TOP "Board edge" at 166.05,105.975 h0.55; ASM TOP "1" at 165.75,97.775 h0.55; ASM TOP "5" at 170.75,97.775 h0.55; ASM TOP "3" at 168.15,97.775 h0.55; ASM TOP "2" at 165.65,100.275 h0.55; ASM TOP "6" at 170.65,100.275 h0.55; ASM TOP "4" at 168.05,100.275 h0.55; TopOverlay "2" at 165.65,101.975 h0.55; TopOverlay "4" at 168.05,101.975 h0.55; TopOverlay "6" at 170.65,101.975 h0.55; TopOverlay "5" at 170.65,95.2 h0.55; TopOverlay "3" at 168.05,95.2 h0.55; TopOverlay "1" at 165.65,95.2 h0.55
J31: ASM TOP "Board edge" at 183.2,105.975 h0.55; ASM TOP "1" at 182.9,97.775 h0.55; ASM TOP "5" at 187.9,97.775 h0.55; ASM TOP "3" at 185.3,97.775 h0.55; ASM TOP "2" at 182.8,100.275 h0.55; ASM TOP "6" at 187.8,100.275 h0.55; ASM TOP "4" at 185.2,100.275 h0.55; TopOverlay "2" at 182.8,101.975 h0.55; TopOverlay "4" at 185.2,101.975 h0.55; TopOverlay "6" at 187.8,101.975 h0.55; TopOverlay "5" at 187.8,95.2 h0.55; TopOverlay "3" at 185.2,95.2 h0.55; TopOverlay "1" at 182.8,95.2 h0.55
J34: ASM TOP "Locking shroud" at 225.75,81 h0.55 r90
J36: ASM TOP "PCB edge" at 215.475,109.875 h0.55
L10: ASM TOP "no polarity" at 205.2,51.925 h0.55 r90
L11: ASM TOP "no polarity" at 229.15,43.975 h0.55 r90
L12: ASM TOP "no polarity" at 197.1,31.45 h0.55 r90
L13: ASM TOP "no polarity" at 228.1,23.825 h0.55 r90
L14: ASM TOP "no polarity" at 173.551,30.455 h0.55 r90
L15: ASM TOP "no polarity" at 171.625,16.275 h0.55
L16: ASM TOP "no polarity" at 135.525,17.2 h0.55 r90
LED1: ASM BOT "A" at 44.525,109.55 h0.55; ASM BOT "C2" at 47.925,109.55 h0.55; ASM BOT "C1" at 46.325,108.75 h0.55
LED2: ASM BOT "C1" at 53.325,108.75 h0.55; ASM BOT "C2" at 54.925,109.55 h0.55; ASM BOT "A" at 51.525,109.55 h0.55
LED3: ASM BOT "A" at 58.525,109.55 h0.55; ASM BOT "C2" at 61.925,109.55 h0.55; ASM BOT "C1" at 60.325,108.75 h0.55
LED4: ASM BOT "C1" at 67.325,108.75 h0.55; ASM BOT "C2" at 68.925,109.55 h0.55; ASM BOT "A" at 65.525,109.55 h0.55
LED5: ASM BOT "A" at 79.525,109.55 h0.55; ASM BOT "C2" at 82.925,109.55 h0.55; ASM BOT "C1" at 81.325,108.75 h0.55
LED6: ASM BOT "C1" at 74.325,108.75 h0.55; ASM BOT "C2" at 75.925,109.55 h0.55; ASM BOT "A" at 72.525,109.55 h0.55
SW1: ASM TOP "2" at 26.975,101.425 h0.55; ASM TOP "1" at 26.975,109.025 h0.55; ASM TOP "Board edge" at 20.9,107.325 h0.55
T3: Mechanical13 "Pri*" at 79.126,70.995 h0.2; Mechanical13 "Pri" at 81.926,70.995 h0.2; Mechanical13 "Sec*" at 79.126,76.795 h0.2; Mechanical13 "Sec" at 81.826,76.795 h0.2; Mechanical13 "NC" at 80.626,76.795 h0.2
T4: Mechanical13 "Pri*" at 67.9,70.995 h0.2; Mechanical13 "Pri" at 70.7,70.995 h0.2; Mechanical13 "Sec*" at 67.9,76.795 h0.2; Mechanical13 "Sec" at 70.6,76.795 h0.2; Mechanical13 "NC" at 69.4,76.795 h0.2
T5: Mechanical13 "Pri*" at 65.69,43.845 h0.2 r180; Mechanical13 "Pri" at 62.89,43.845 h0.2 r180; Mechanical13 "Sec*" at 65.69,38.045 h0.2 r180; Mechanical13 "Sec" at 62.99,38.045 h0.2 r180; Mechanical13 "NC" at 64.19,38.045 h0.2 r180
T6: Mechanical13 "Pri*" at 74.92,43.845 h0.2 r180; Mechanical13 "Pri" at 72.12,43.845 h0.2 r180; Mechanical13 "Sec*" at 74.92,38.045 h0.2 r180; Mechanical13 "Sec" at 72.22,38.045 h0.2 r180; Mechanical13 "NC" at 73.42,38.045 h0.2 r180
T15: Mechanical13 "Pri*" at 118.475,68.828 h0.2 r270; Mechanical13 "Pri" at 118.475,66.028 h0.2 r270; Mechanical13 "Sec*" at 124.275,68.828 h0.2 r270; Mechanical13 "Sec" at 124.275,66.128 h0.2 r270; Mechanical13 "NC" at 124.275,67.328 h0.2 r270
T18: Mechanical13 "Pri*" at 102.756,39.067 h0.2 r135; Mechanical13 "Pri" at 100.776,41.047 h0.2 r135; Mechanical13 "Sec*" at 98.654,34.966 h0.2 r135; Mechanical13 "Sec" at 96.745,36.875 h0.2 r135; Mechanical13 "NC" at 97.594,36.026 h0.2 r135
T19: Mechanical13 "Pri*" at 101.239,49.311 h0.2 r90; Mechanical13 "Pri" at 101.239,52.111 h0.2 r90; Mechanical13 "Sec*" at 95.439,49.311 h0.2 r90; Mechanical13 "Sec" at 95.439,52.011 h0.2 r90; Mechanical13 "NC" at 95.439,50.811 h0.2 r90
XO3: TopOverlay "OCXO" at 197.7,100.8 h0.55 r90